# Altium PCB cheriot-test.PcbDoc (part 1 of 12) (continued)
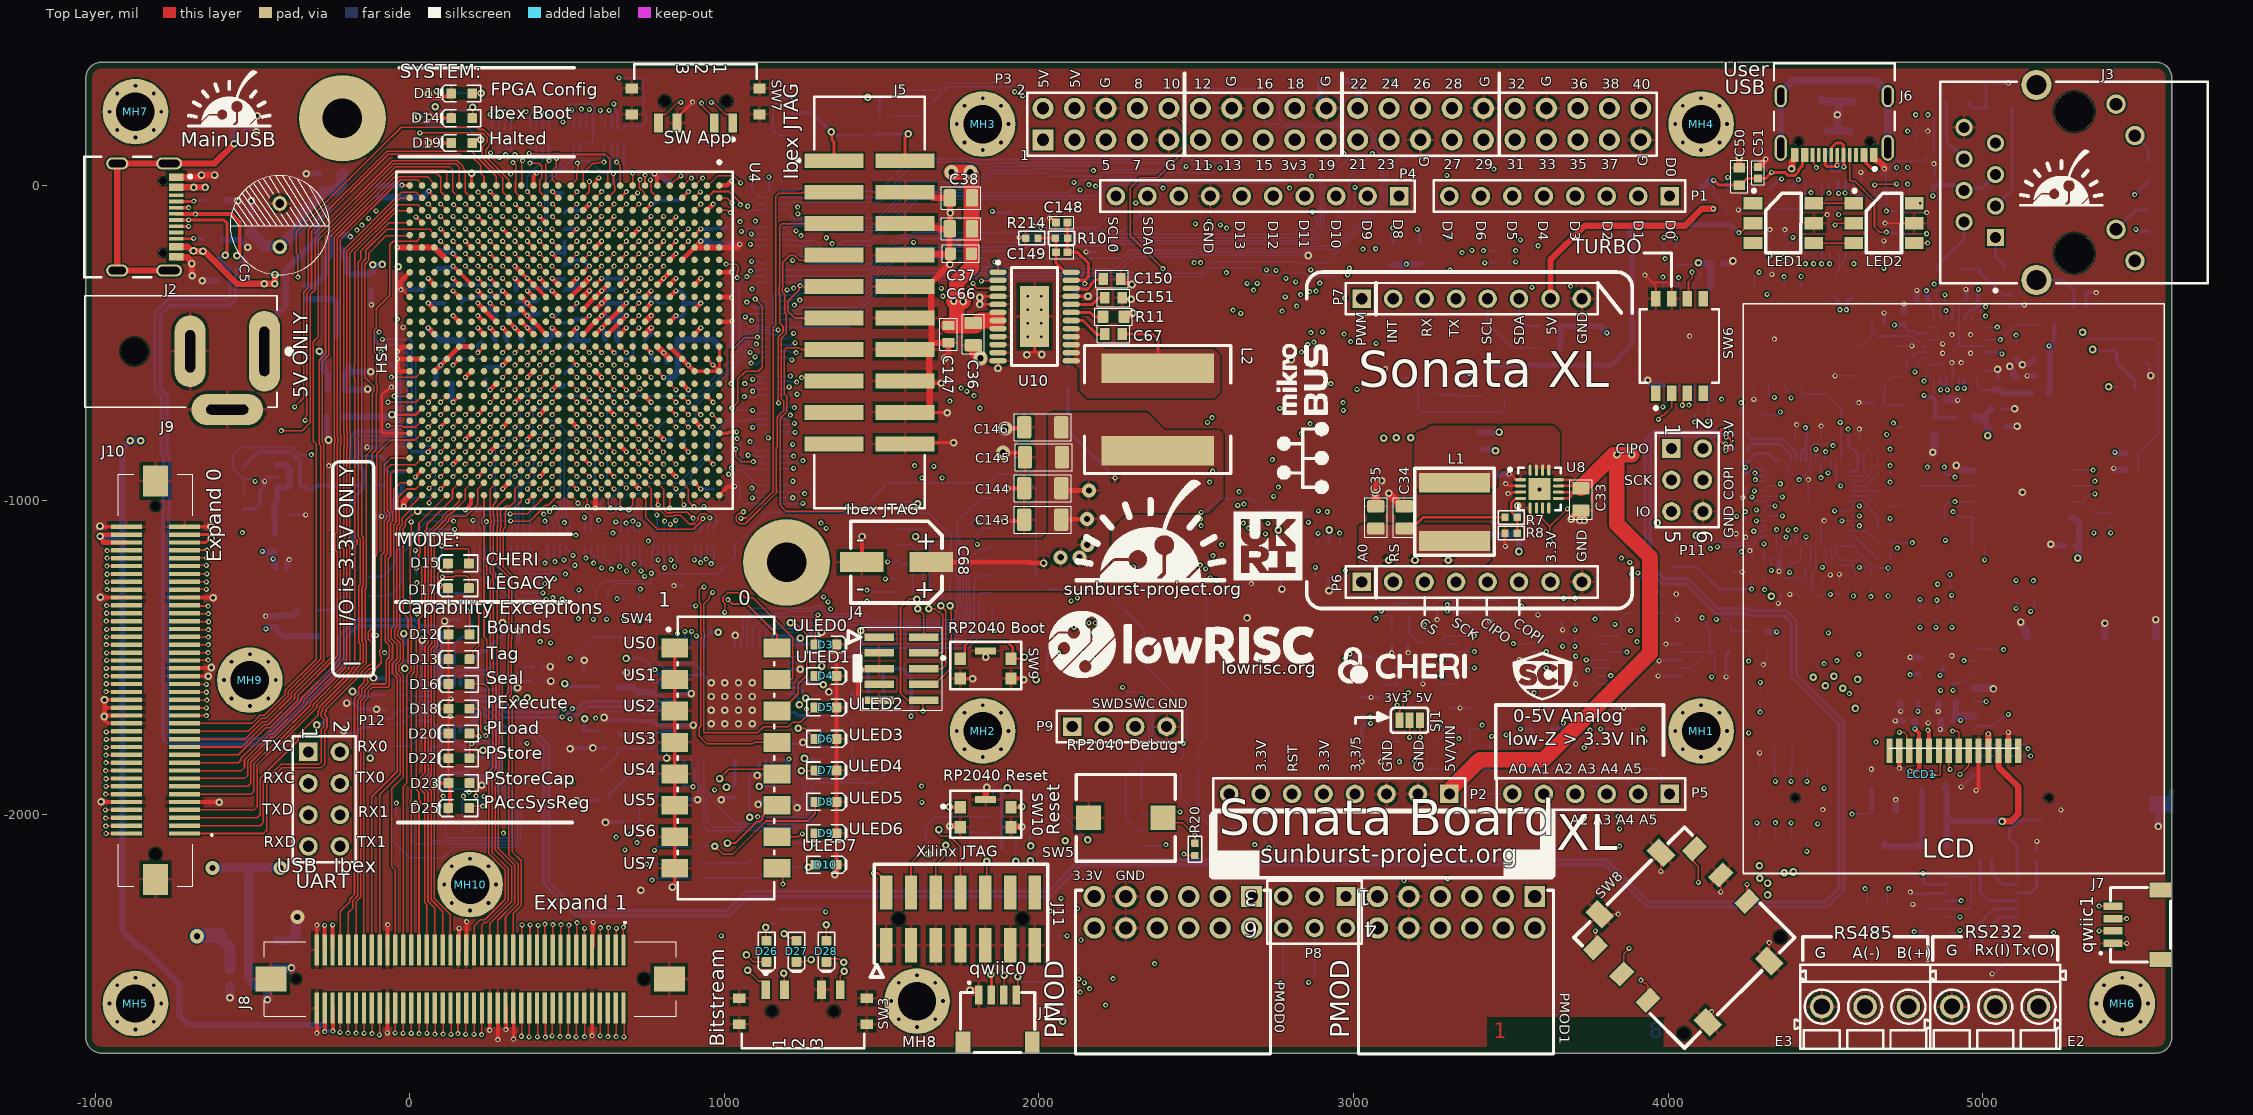
[diagram p0: Top Layer view]
## Components (designator, comment, footprint, x,y, rotation, side; value= is the part's Value field where it differs from the comment)
C1 "2u2" CAPC0603_M -122.87,-308.87 r270 bottom
C2 "2u2" CAPC0603_M -232.87,-648.87 r0 bottom
C3 "2u2" CAPC0603_M -502.87,-122.13 r90 bottom
C4 "100n" CAPC0402_M -327.87,-343.87 r90 bottom
C5 "680uF" Cap_16v_680uF -412.87,-194.92 r90 top
C6 "100n" CAPC0402_M 411.51,-423.35 r270 bottom
C7 "100n" CAPC0402_M 291.37,-493.04 r0 bottom
C8 "100n" CAPC0402_M 570.87,-472.44 r90 bottom
C9 "100n" CAPC0402_M 410.48,-343.64 r270 bottom
C10 "100n" CAPC0402_M 491.99,-536.51 r270 bottom
C11 "2u2" CAPC0603_M 649.94,-403.96 r270 bottom
C12 "2u2" CAPC0603_M 844.14,-374.02 r0 bottom
C13 "2u2" CAPC0603_M 73,-322 r180 bottom
C14 "100n" CAPC0402_M 649.87,-310.57 r270 bottom
C15 "100n" CAPC0402_M 962.66,-158.04 r270 bottom
C16 "100n" CAPC0402_M 337.79,-350.98 r270 bottom
C17 "100n" CAPC0402_M 492.13,-314.96 r90 bottom
C18 "100n" CAPC0402_M 798.82,-564 r0 bottom
C19 "2u2" CAPC0603_M 1014,-160 r270 bottom
C20 "2u2" CAPC0603_M 826.77,-19.69 r90 bottom
C21 "100n" CAPC0402_M 855,-809 r180 bottom
C22 "100n" CAPC0402_M 295.28,-413.39 r0 bottom
C23 "100n" CAPC0402_M 492.13,-234.65 r90 bottom
C24 "100n" CAPC0402_M 2198.91,-210.83 r180 bottom
C25 "100n" CAPC0402_M 491.57,-616.74 r270 bottom
C26 "100n" CAPC0402_M 728.35,-492.13 r0 bottom
C27 "100n" CAPC0402_M 492.13,-159.06 r270 bottom
C28 "2u2" CAPC0603_M 852.13,-462.13 r90 bottom
C29 "2u2" CAPC0603_M 89.6,-236.35 r270 bottom
C30 "2u2" CAPC0603_M 3514.17,-1076.46 r90 bottom
C31 "100n" CAPC0402_M 3384.25,-785.12 r0 bottom
C32 "2u2" CAPC0603_M 3384.25,-840.24 r0 bottom
C33 "22uF" CAPC0805_M 3722.83,-997.72 r270 top
C34 "22uF" CAPC0805_M 3160.98,-1054.92 r90 top
C35 "22uF" CAPC0805_M 3070.98,-1054.92 r90 top
C36 "22uF" CAPC0805_M 1791.34,-472.44 r270 top
C37 "22uF" CAPC0805_M 1751.97,-137.8 r180 top
C38 "22uF" CAPC0805_M 1751.97,-39.37 r180 top
C39 "2u2" CAPC0603_M -570.87,-2517.72 r270 bottom
C40 "100n" CAPC0402_M -468.66,-2544.96 r0 bottom
C41 "2u2" CAPC0603_M -466.22,-2489.96 r0 bottom
C42 "1u" CAPC0603_M -16.08,-1484.34 r90 bottom
C43 "100n" CAPC0402_M 40.41,-1490.82 r90 bottom
C44 "100n" CAPC0402_M 295,-1605 r0 bottom
C45 "1u" CAPC0603_M 234,-1847 r270 bottom
C46 "100n" CAPC0402_M 182.13,-1832.13 r270 bottom
C47 "1u" CAPC0603_M 122.13,-1839.57 r270 bottom
C48 "100n" CAPC0402_M 403.48,-1528.53 r0 bottom
C49 "100n" CAPC0402_M 4978.74,-2422.91 r0 bottom
C50 "2u2" CAPC0603_M 4225.98,28.72 r90 top
C51 "100n" CAPC0402_M 4285.98,40.08 r90 top
C52 "100n" CAPC0603_M 4485.98,300.08 r270 bottom
C53 "100n" CAPC0402_M 4685.98,-219.92 r90 bottom
C54 "100n" CAPC0402_M 4371.07,-179.92 r90 bottom
C55 "100n" CAPC0402_M 4323.12,-179.92 r90 bottom
C56 "100n" CAPC0402_M -408.02,-1214.66 r0 bottom
C57 "1u" CAPC0603_M -408.02,-1048.17 r0 bottom
C58 "2u2" CAPC0603_M -228.02,-925.92 r90 bottom
C59 "470n" CAPC0603_M -183,-1073 r270 bottom
C60 "100n" CAPC0402_M -96.02,-901.66 r0 bottom
C61 "100n" CAPC0402_M 5010.24,-2143.39 r0 bottom
C62 "100n" CAPC0402_M 5069.29,-2454.41 r270 bottom
C63 "100n" CAPC0402_M 5171.65,-2131.57 r270 bottom
C64 "100n" CAPC0402_M 4813.39,-2233.94 r90 bottom
C65 "100n" CAPC0402_M 4495.98,-1959.92 r270 bottom
C66 "2n4" RESC1608X55N#1 1751.97,-216.54 r180 top
C67 "100n" CAPC0603_M 2237.13,-472.13 r0 top
C68 "1200U" PAN_C10_POS1_NEG2 1547.13,-1197.13 r0 top
C69 "2u2" CAPC0603_M 553.5,-1565.87 r90 bottom
C70 "2u2" CAPC0603_M 723.5,-1575.87 r90 bottom
C71 "100n" CAPC0402_M 772.48,-1592.8 r90 bottom
C72 "2u2" CAPC0603_M 550,-1760 r270 bottom
C73 "2u2" CAPC0603_M 720,-1727.44 r90 bottom
C74 "100n" CAPC0402_M 775,-1721.89 r90 bottom
C75 "100n" CAPC0402_M 1157.13,-1929.02 r270 bottom
C76 "2u2" CAPC0603_M 1207.13,-1922.13 r270 bottom
C77 "18p" CAPC0402_M 702.13,-2022.13 r180 bottom
C78 "18p" CAPC0402_M 640,-1790 r180 bottom
C79 "100n" CAPC0402_M 1483.5,-1535.87 r180 bottom
C80 "100n" CAPC0402_M 5275.98,-1144.92 r180 bottom
C81 "1u" CAPC0603_M 4205.98,-1199.92 r270 bottom
C82 "1u" CAPC0603_M 4185.98,-1079.92 r270 bottom
C83 "100n" CAPC0402_M 4347.87,-253.08 r180 bottom
C84 "100n" CAPC0402_M 4505.98,-799.92 r180 bottom
C85 "100n" CAPC0402_M 4370.98,-1199.92 r180 bottom
C86 "100n" CAPC0402_M 4245.98,-939.92 r270 bottom
C87 "100n" CAPC0402_M 4285.98,-1199.92 r180 bottom
C88 "100n" CAPC0402_M 4589.93,-799.92 r0 bottom
C89 "100n" CAPC0402_M 4245.98,-1079.92 r270 bottom
C90 "100n" CAPC0402_M 4421.94,-799.92 r180 bottom
C91 "100n" CAPC0402_M 4155.98,-249.92 r0 bottom
C92 "18p" CAPC0402_M 4544.04,-1279.92 r90 bottom
C93 "18p" CAPC0402_M 4358.15,-1279.92 r270 bottom
C94 "100n" CAPC0402_M -62.08,-1669.08 r180 bottom
C95 "18p" CAPC0402_M 346.21,-1467.34 r90 bottom
C96 "18p" CAPC0402_M 170,-1380 r180 bottom
C97 "100n" CAPC0402_M 3220.17,-1540.24 r270 bottom
C98 "24p" CAPC0402_M 3025.98,-1699.31 r270 bottom
C99 "100n" CAPC0402_M 3705.98,-1539.92 r270 bottom
C100 "2u2" CAPC0603_M 4285.98,-1480.02 r0 bottom
C101 "2u2" CAPC0603_M 4166.32,-1480.02 r0 bottom
C102 "100n" CAPC0402_M 4165.98,-1536.51 r0 bottom
C103 "24p" CAPC0402_M 3025.98,-1515.26 r270 bottom
C104 "24p" CAPC0402_M 3125.98,-1352.1 r270 bottom
C105 "24p" CAPC0402_M 3685.98,-1337.47 r180 bottom
C106 "24p" CAPC0402_M 3323.54,-1339.92 r90 bottom
C107 "24p" CAPC0402_M 3905.98,-1256.09 r0 bottom
C108 "18p" CAPC0402_M 4667.87,-691.05 r180 bottom
C109 "18p" CAPC0402_M 4665.98,-437.92 r0 bottom
C110 "2u2" CAPC0603_M 196.85,-492.13 r180 bottom
C111 "2u2" CAPC0603_M 997,-508 r0 bottom
C112 "100n" CAPC0402_M 4765.98,-1699.92 r180 bottom
C113 "2u2" CAPC0603_M 4765.98,-1639.92 r180 bottom
C114 "100n" CAPC0402_M 4885.98,-1699.92 r180 bottom
C115 "2u2" CAPC0603_M 4885.98,-1639.92 r180 bottom
C116 "100n" CAPC0402_M -541.06,172.68 r0 bottom
C117 "100n" CAPC0402_M 872.13,-1932.13 r270 bottom
C118 "100n" CAPC0402_M 5309.45,-387.48 r0 bottom
C119 "100n" CAPC0402_M 5023.62,325.12 r180 bottom
C120 "100n" CAPC0402_M 4845.98,20.08 r90 bottom
C121 "2u2" CAPC0603_M 4800.98,-1526.94 r90 bottom
C122 "100n" CAPC0402_M 4875.98,-1512.77 r90 bottom
C123 "2u2" CAPC0603_M 5185.98,-554.92 r180 bottom
C124 "2u2" CAPC0603_M 5105.98,-634.92 r90 bottom
C125 "2u2" CAPC0603_M 5045.98,-766.38 r0 bottom
C126 "2u2" CAPC0603_M 4845.98,-764.92 r270 bottom
C127 "100n" CAPC0402_M 5184.09,-604.92 r180 bottom
C128 "100n" CAPC0402_M 5050.98,-629.92 r90 bottom
C129 "100n" CAPC0402_M 5045.98,-709.89 r0 bottom
C130 "100n" CAPC0402_M 4865.98,-679.92 r0 bottom
C131 "100n" CAPC0402_M 4965.98,-359.92 r180 bottom
C132 "100n" CAPC0402_M 4749.31,-420 r90 bottom
C133 "100n" CAPC0402_M 4807.42,-361.53 r180 bottom
C134 "100n" CAPC0402_M 723,-1481 r90 bottom
C135 "100n" CAPC0402_M 1268.54,-1555 r90 bottom
C136 "100n" CAPC0402_M 1264.61,-1708.54 r270 bottom
C137 "100n" CAPC0402_M 1271.1,-1439.76 r90 bottom
C138 "100n" CAPC0402_M 1032.13,-1927.13 r270 bottom
C139 "100n" CAPC0402_M 486.5,-454.36 r270 bottom
C140 "100n" CAPC0402_M 502.43,-396.18 r0 bottom
C141 "100n" CAPC0402_M -423,-1388 r90 bottom
C142 "100n" CAPC0402_M 5088.98,-367.8 r90 bottom
C143 "100U" CAPC1206_M 2012.13,-1062.13 r180 top
C144 "100U" CAPC1206_M 2012.13,-962.13 r180 top
C145 "100U" CAPC1206_M 2014.61,-863.98 r180 top
C146 "100U" CAPC1206_M 2012.13,-768.78 r180 top
C147 "2u2" CAPC0603_M 1712.6,-472.44 r270 top
C148 "DNM" CAPC0402_M 2072.13,-117.13 r180 top
C149 "DNM" CAPC0402_M 2072.13,-212.13 r180 top
C150 "10n" CAPC0603_M 2232.13,-297.13 r0 top
C151 "3u3" CAPC0603_M 2237.13,-357.13 r0 top
C152 "100n" CAPC0402_M -60.12,-831.74 r180 bottom
C153 "100n" CAPC0402_M 242.51,-595.44 r90 bottom
C154 "100n" CAPC0402_M 984.25,-964.57 r0 bottom
C155 "100n" CAPC0402_M -98.43,-19.69 r90 bottom
C156 "2u2" CAPC0603_M 492.13,-59.06 r270 bottom
C157 "2u2" CAPC0603_M -236.56,-735 r180 bottom
C158 "2u2" CAPC0603_M 106.3,-629.92 r180 bottom
C159 "100n" CAPC0402_M 641.98,-491.92 r0 bottom
C160 "2u2" CAPC0603_M 387.31,-493.83 r0 bottom
C161 "2u2" CAPC0603_M 137.8,-374.02 r180 bottom
D3 "LED, 0603, Blue" LED-0603-BLUE 1322.87,-1458.94 r0 top
D4 "LED, 0603, Green" LED-0603-GREEN 1322.87,-1558.94 r0 top
D5 "LED, 0603, Red" LED-0603-RED 1322.87,-1658.94 r0 top
D6 "LED, 0603, Blue" LED-0603-BLUE 1322.87,-1758.94 r0 top
D7 "LED, 0603, Green" LED-0603-GREEN 1322.87,-1858.94 r0 top
D8 "LED, 0603, Red" LED-0603-RED 1322.87,-1958.94 r0 top
D9 "LED, 0603, Green" LED-0603-GREEN 1322.87,-2058.94 r0 top
D10 "LED, 0603, Red" LED-0603-RED 1322.87,-2158.94 r0 top
D11 "LED, 0603, Green" LED-0603-GREEN 165.56,292.68 r180 top
D12 "LED, 0603, Red" LED-0603-RED 156.81,-1426.89 r180 top
D13 "LED, 0603, Red" LED-0603-RED 156.81,-1505.63 r180 top
D14 "LED, 0603, Green" LED-0603-GREEN 165.56,213.94 r180 top
D15 "LED, 0603, Green" LED-0603-GREEN 154.93,-1201.1 r180 top
D16 "LED, 0603, Red" LED-0603-RED 156.81,-1584.37 r180 top
D17 "LED, 0603, Red" LED-0603-RED 154.93,-1279.84 r180 top
D18 "LED, 0603, Red" LED-0603-RED 156.81,-1663.11 r180 top
D19 "LED, 0603, Red" LED-0603-RED 165.56,135.2 r180 top
D20 "LED, 0603, Red" LED-0603-RED 156.81,-1741.85 r180 top
D22 "LED, 0603, Red" LED-0603-RED 156.81,-1820.59 r180 top
D23 "LED, 0603, Red" LED-0603-RED 156.81,-1899.33 r180 top
D25 "LED, 0603, Red" LED-0603-RED 156,-1979 r180 top
D26 "LED, 0603, Green" LED-0603-GREEN 1134.53,-2434.06 r270 top
D27 "LED, 0603, Green" LED-0603-GREEN 1229.53,-2434.06 r270 top
D28 "LED, 0603, Green" LED-0603-GREEN 1324.53,-2434.06 r270 top
E2 "1912330000" PS_3_5_90_03 5039.37,-2609.92 r0 top
E3 "1912330000" PS_3_5_90_03 4625.98,-2609.92 r0 top
HS1 "960-29-18-D-AB-0" 960-29-18-D-AB-0 492.13,-492.13 r90 top locked
J1 "SM04B-SRSS-TB_LF__SN_" SM04B-SRSS-TB(LFSN) 1750.39,-2756.02 r0 top
J2 "USB4105-GF-A" FP-USB4105-GF-A-MFG -883.46,-100.08 r270 top
J3 "J00-0045NL" FP-J00-0045NL-MFG 5290.35,9.57 r270 top
J4 "10 Pin Cortex Program & Debug" 0.5mm_SMD_Header_5x2 1492.13,-1435.43 r0 top
J5 "61232020621" 61232020621 1461.61,-371.26 r270 top
J6 "USB4105-GF-A" FP-USB4105-GF-A-MFG 4527.95,238.11 r180 top
J7 "SM04B-SRSS-TB_LF__SN_" SM04B-SRSS-TB(LFSN) 5596.93,-2467.8 r90 top
J8 "0528850874" 0528850874 192.13,-2522.13 r180 top locked
J9 "2.5x5.5x9.5mm Jack" CUI_PJ-058BH -461.65,-527.13 r180 top
J10 "0528850874" 0528850874 -807.87,-1572.13 r90 top locked
J11 "87832-1420/XILINXJTAG" 87832-1420 1750.87,-2330.98 r0 top
L1 "4.7uH" NR6028 3320.98,-1037.58 r270 top
L2 "2.2uH, 14A" XAL1060-222 2377.13,-712.13 r270 top
L3 "600-Ohm/0.5A" IND_0603 -428.02,-1134.66 r90 bottom value=600R/0.5A
L5 "1k @ 1Mhz" IND_0603 633.5,-1595.87 r0 bottom
L6 "1k @ 1Mhz" IND_0603 635,-1740 r0 bottom
L7 "1k @ 1Mhz" IND_0603 4285.98,-1415.97 r180 bottom
L8 "1k @ 1Mhz" IND_0603 5180.98,-659.92 r180 bottom
L9 "1k @ 1Mhz" IND_0603 4947.24,-734.92 r180 bottom
LCD1 "1.8\" LCD, Solder on Connector" ADAFRUIT618 4238.59,-2186.69 r90 bottom locked
LED1 "WS2813B, 5x5" WS2813B_5x5 4365.98,-119.92 r0 top
LED2 "WS2813B, 5x5" WS2813B_5x5 4685.98,-119.92 r0 top
MH1 "M3, Tight Fit" MOUNT_M3_TIGHT#1 4104.72,-1733.94 r0 top locked
MH2 "M3, Tight Fit" MOUNT_M3_TIGHT#1 1821.26,-1733.94 r0 top locked
MH3 "M3, Tight Fit" MOUNT_M3_TIGHT#1 1821.26,195.2 r0 top locked
MH4 "M3, Tight Fit" MOUNT_M3_TIGHT#1 4104.72,195.2 r0 top locked
MH5 "M3, Tight Fit" MOUNT_M3_TIGHT#1 -871.65,-2600.08 r0 top
MH6 "M3, Tight Fit" MOUNT_M3_TIGHT#1 5443.31,-2600.08 r0 top
MH7 "M3, Tight Fit" MOUNT_M3_TIGHT#1 -871.65,234.57 r0 top
MH8 "M3, Tight Fit" MOUNT_M3_TIGHT#2 1612.6,-2592.2 r0 top
MH9 "M3, Tight Fit" MOUNT_M3_TIGHT#2 -507.87,-1572.13 r0 top locked
MH10 "M3, Tight Fit" MOUNT_M3_TIGHT#2 192.13,-2222.13 r0 top locked
P1 "Header 8" HDR1X8_SLW-108-01-T-S 4004.72,-33.94 r180 top locked
P2 "Header 8" HDR1X8_SLW-108-01-T-S 3304.72,-1933.94 r180 top locked
P3 "Header 20X2" HDR2X20_861400402YO2LF 2012.99,145.2 r0 top locked
P4 "Header 10" HDR1X10_SLW-110-01-T-S 3144.72,-33.94 r180 top locked
P5 "Header 6" HDR1X6_SLW-106-01-T-S 4004.72,-1933.94 r180 top locked
P6 "Header 8" HDR1X8_SLW-108-01-T-S 3025.98,-1259.92 r0 top locked
P7 "Header 8" HDR1X8_SLW-108-01-T-S 3025.98,-359.92 r0 top locked
P8 "Header 3X2A" HDR2X3_CEN 2975.98,-2259.92 r180 top locked
P9 "Header 4" HDR1X4 2105.98,-1719.92 r0 top
P11 "Header 3X2" HDR2X3_XG8T-0641 4010.24,-835.91 r270 top locked
P12 "Header 4X2" HDR2X4_XG8T-0841 -321.85,-1800.35 r270 top
PMOD0 "PMOD, 12-pin, RA, Through-Hole" SAMTEC_SSW_106_02_X_D_RA_PMOD 2675.98,-2259.92 r270 top locked
PMOD1 "PMOD, 12-pin, RA, Through-Hole" SAMTEC_SSW_106_02_X_D_RA_PMOD 3575.98,-2259.92 r270 top locked
Q1 "DMP2123LQ-7" SOT95P245X110-3M -232.87,-323.87 r270 bottom
Q2 "DMN3200U-7" SOT95P245X110-3M 4685.98,-2039.92 r270 bottom
Q3 "BSS138" SOT95P245X110-3M 5459.06,-525.28 r180 bottom
Q4 "DMP2123LQ-7" SOT95P245X110-3M -249,-13 r270 bottom
Q5 "DMP2123LQ-7" SOT95P245X110-3M -232.87,-528.87 r90 bottom
Q6 "DMP2123LQ-7" SOT95P245X110-3M 3444.4,-621.82 r90 bottom
Q7 "BSS138" SOT95P245X110-3M 3101.82,-615 r0 bottom
R1 "5k1" RESC1608X55N#2 -617.87,-47.13 r0 bottom
R2 "100k" RESC1005X40N#1 -232.87,-203.87 r180 bottom
R3 "10k" RESC1005X40N#1 -233,-156 r0 bottom
R4 "5k1" RESC1608X55N#2 -622.87,-172.13 r0 bottom
R5 "1k" RESC1608X55N#2 4088.98,-1178.82 r90 bottom
R6 "1k" RESC1608X55N#2 1217.13,197.87 r270 bottom
R7 "10k" RESC1005X40N#2 3500.98,-1054.92 r0 top
R8 "2k2" RESC1005X40N#2 3500.98,-1104.92 r180 top
R9 "51R" RESC1608X55N#2 2092.13,-612.13 r90 bottom
R10 "14k7" RESC1005X40N#2 2071.81,-167.13 r180 top
R11 "1k5" RESC1608X55N#1 2237.13,-417.13 r0 top
R12 "100k" RESC1005X40N#1 -62.08,-1618.95 r180 bottom
R13 "100k" RESC1005X40N#1 -134.08,-1643.47 r270 bottom
R14 "10k" RESC1005X40N#1 -62.08,-1566.63 r180 bottom
R15 "100k" RESC1608X55N#2 4265.28,-728.43 r180 bottom
R16 "12k" RESC1005X40N#1 405,-1575 r0 bottom
R17 "100k" RESC1608X55N#2 -87.87,-1722.13 r0 bottom
R18 "100k" RESC1608X55N#2 -87.87,-1782.13 r0 bottom
R19 "0R" RESC1608X55N#2 3332,-630 r90 bottom
R20 "10k" RESC1005X40N#2 2495.98,-2109.92 r90 top
R21 "1k" RESC1608X55N#2 4813.39,-2336.3 r270 bottom
R22 "DNM RCHIP" RESC1608X55N#2 4725.98,-114.92 r270 bottom
R23 "47k" RESC1005X40N#1 4805.98,200.08 r180 bottom
R24 "DNM RCHIP" RESC1608X55N#2 4789.05,-119.92 r90 bottom
R25 "22k" RESC1005X40N#1 4805.98,147.76 r0 bottom
R26 "DNM RCHIP" RESC1608X55N#2 4185.98,-39.92 r90 bottom
R27 "33R" RESC1608X55N#2 4525.98,-319.92 r90 bottom
R28 "DNM RCHIP" RESC1608X55N#2 4265.98,-39.92 r270 bottom
R29 "33R" RESC1608X55N#2 4585.98,-319.92 r90 bottom
R30 "10k" RESC1005X40N#1 4745.98,32.4 r0 bottom
R31 "1k5" RESC1608X55N#2 4325.98,-39.92 r270 bottom
R32 "10k" RESC1005X40N#1 4745.98,-19.92 r0 bottom
R33 "10R" RESC1608X55N#2 4585.98,300.08 r270 bottom
R34 "DNM RCHIP" RESC1608X55N#2 4385.98,-39.92 r270 bottom
R35 "DNM RCHIP" RESC1608X55N#2 4505.98,140.08 r270 bottom
R36 "DNM RCHIP" RESC1608X55N#2 4578.8,138.27 r270 bottom
R37 "2k7" RESC1005X40N#1 -527.23,-913.8 r270 bottom
R38 "1k" RESC1005X40N#1 -527.23,-1008.28 r270 bottom
R39 "1k" RESC1608X55N#2 5214.96,-2017.4 r0 bottom
R40 "120R" RESC1608X55N#2 4365.98,-1769.92 r180 bottom
R41 "DNM RCHIP" RESC1608X55N#2 4105.98,-39.92 r270 bottom
R42 "1k" RESC1005X40N#1 771,-1456 r90 bottom
R43 "12k" RESC1608X55N#2 873,-1301 r90 bottom
R44 "2k2" RESC1005X40N#1 1308.66,-1705.02 r270 bottom
R45 "10k" RESC1005X40N#1 5353.21,-1059.92 r90 bottom
R46 "10k" RESC1005X40N#1 4823.76,-939.59 r270 bottom
R47 "22R" RESC1005X40N#1 2052,-2366 r270 bottom
R48 "22R" RESC1005X40N#1 4881.05,-1083.3 r90 bottom
R49 "22R" RESC1005X40N#1 4880.98,-939.92 r270 bottom
R50 "22R" RESC1005X40N#1 4985.98,-1149.82 r0 bottom
R51 "22R" RESC1005X40N#1 5405.98,-1059.92 r90 bottom
R52 "22R" RESC1005X40N#1 4291,-1631 r270 bottom
R53 "1k" RESC1005X40N#1 2006.79,-1484.9 r180 bottom
R54 "10k" RESC1005X40N#1 2007.38,-1536.83 r0 bottom
R55 "22R" RESC1005X40N#1 4685.98,-810.65 r180 bottom
R56 "27R" RESC1005X40N#1 4230.98,-787.6 r0 bottom
R57 "22R" RESC1005X40N#1 4685.98,-862.97 r180 bottom
R58 "27R" RESC1005X40N#1 4231.3,-839.92 r0 bottom
R59 "22R" RESC1005X40N#1 4685.98,-915.29 r180 bottom
R60 "22R" RESC1005X40N#1 4685.67,-967.6 r180 bottom
R61 "22R" RESC1005X40N#1 4685.67,-1019.92 r180 bottom
R62 "10k" RESC1005X40N#1 4005.98,-252.7 r0 bottom
R63 "22R" RESC1005X40N#1 4685.98,-1082.97 r180 bottom
R64 "10k" RESC1005X40N#1 4005.98,-199.92 r0 bottom
R65 "22R" RESC1005X40N#1 4685.98,-1135.29 r180 bottom
R66 "22R" RESC1005X40N#1 4685.98,-1187.6 r180 bottom
R67 "10k" RESC1005X40N#1 4105.98,-724.86 r180 bottom
R68 "22R" RESC1005X40N#1 4698.81,-1260.24 r90 bottom
R69 "22R" RESC1005X40N#1 4646.49,-1259.61 r90 bottom
R70 "22R" RESC1005X40N#1 4594.18,-1260.24 r90 bottom
R71 "10k" RESC1005X40N#1 4285.98,-1250.05 r180 bottom
R72 "100k" RESC1608X55N#2 -230,-1695 r180 bottom
R73 "DNM" RESC1005X40N#1 327.13,-1772.13 r0 bottom
R74 "DNM" RESC1005X40N#1 62.13,-1832.44 r270 bottom
R75 "100k" RESC1608X55N#2 3243.23,-1819.92 r90 bottom
R76 "150k" RESC1608X55N#2 3306.3,-1693.86 r270 bottom
R77 "1k" RESC1608X55N#2 3306.3,-1819.92 r90 bottom
R78 "2k" RESC1005X40N#1 3145.98,-1787.13 r90 bottom
R79 "180R" RESC1005X40N#1 3105.98,-1707.13 r180 bottom
R80 "1k" RESC1005X40N#1 3085.98,-1787.13 r270 bottom
R81 "845R" RESC1005X40N#1 3025.98,-1787.13 r90 bottom
R82 "10R" RESC1608X55N#2 4165.98,-1415.97 r180 bottom
R83 "1k" RESC1608X55N#2 3432.43,-1819.92 r90 bottom
R84 "100k" RESC1608X55N#2 3369.36,-1819.92 r90 bottom
R85 "2k" RESC1005X40N#1 3138.3,-1607.13 r90 bottom
R86 "180R" RESC1005X40N#1 3105.98,-1527.13 r180 bottom
R87 "150k" RESC1608X55N#2 3369.36,-1693.86 r270 bottom
R88 "1k" RESC1005X40N#1 3085.98,-1607.13 r270 bottom
R89 "1k" RESC1608X55N#2 3506.3,-1819.92 r90 bottom
R90 "845R" RESC1005X40N#1 3025.98,-1606.81 r90 bottom
R91 "100k" RESC1608X55N#2 3569.36,-1819.92 r90 bottom
R92 "2k" RESC1005X40N#1 3225.98,-1439.92 r270 bottom
R93 "180R" RESC1005X40N#1 3176.12,-1348.23 r90 bottom
R94 "150k" RESC1608X55N#2 3566.3,-1693.86 r270 bottom
R95 "1k" RESC1005X40N#1 3173.67,-1439.92 r270 bottom
R96 "845R" RESC1005X40N#1 3121.35,-1439.92 r90 bottom
R97 "1k" RESC1608X55N#2 3695.49,-1819.92 r90 bottom
R98 "100k" RESC1608X55N#2 3632.43,-1819.92 r90 bottom
R99 "2k" RESC1005X40N#1 3684.11,-1439.92 r0 bottom
R100 "180R" RESC1005X40N#1 3785.98,-1338.86 r180 bottom
R101 "150k" RESC1608X55N#2 3629.36,-1693.39 r270 bottom
R102 "1k" RESC1005X40N#1 3684.11,-1387.6 r180 bottom
R103 "845R" RESC1005X40N#1 3605.98,-1339.92 r0 bottom
R104 "1k" RESC1608X55N#2 3765.98,-1819.92 r90 bottom
R105 "100k" RESC1608X55N#2 3829.05,-1819.92 r90 bottom
R106 "2k" RESC1005X40N#1 3514.3,-1358.06 r180 bottom
R107 "180R" RESC1005X40N#1 3375.98,-1338.38 r270 bottom
R108 "150k" RESC1608X55N#2 3825.98,-1693.86 r270 bottom
R109 "1k" RESC1005X40N#1 3428.3,-1338.38 r270 bottom
R110 "845R" RESC1005X40N#1 3265.98,-1338.38 r90 bottom
R111 "1k" RESC1608X55N#2 3955.18,-1819.92 r90 bottom
R112 "100k" RESC1608X55N#2 3892.11,-1819.92 r90 bottom
R113 "2k" RESC1005X40N#1 3906.3,-1358.54 r0 bottom
R114 "180R" RESC1005X40N#1 3905.98,-1306.22 r180 bottom
R115 "150k" RESC1608X55N#2 3889.05,-1693.86 r270 bottom
R116 "1k" RESC1005X40N#1 4005.98,-1358.54 r0 bottom
R117 "845R" RESC1005X40N#1 4005.98,-1306.22 r180 bottom
R118 "100k" RESC1005X40N#1 1864,-1956 r180 bottom
R119 "100k" RESC1005X40N#1 1862.13,-2106.81 r180 bottom
R120 "100k" RESC1005X40N#1 1862.13,-2055.63 r180 bottom
R121 "100k" RESC1005X40N#1 1862,-2007 r180 bottom
R122 "0R" RESC1608X55N#2 -167,-1304 r0 bottom
R123 "0R" RESC1608X55N#2 -166,-1243 r0 bottom
R124 "0R" RESC1608X55N#2 4760.98,-734.92 r90 bottom
R125 "2k2" RESC1608X55N#2 1944,-87 r0 bottom
R126 "2k2" RESC1608X55N#2 2081,-2566 r90 bottom
R127 "2k2" RESC1608X55N#2 4632.92,-2314.92 r90 bottom
R128 "2k2" RESC1608X55N#2 4695.98,-2314.92 r90 bottom
R129 "2k7" RESC1005X40N#1 -541.06,223.86 r0 bottom
R130 "75R" RESC2012X70N 4845.98,-1919.92 r180 bottom
R131 "75R" RESC2012X70N 4845.98,-2099.92 r180 bottom
R132 "75R" RESC2012X70N 4845.98,-2019.92 r180 bottom
R133 "10k" RESC1005X40N#1 4645.98,-1899.92 r90 bottom
R134 "1k" RESC1608X55N#2 4018.11,-1178.82 r90 bottom
R135 "100k" RESC1005X40N#1 5309.45,-336.3 r0 bottom
R136 "1k" RESC1608X55N#2 5525.98,-111.89 r90 bottom
R137 "1k" RESC1608X55N#2 5525.98,45.59 r90 bottom
R138 "1k" RESC1005X40N#1 680,-1335 r270 bottom
R139 "1k" RESC1005X40N#1 42.13,-1287.13 r0 bottom
R140 "1k" RESC1005X40N#1 730,-1335 r270 bottom
R141 "1k" RESC1005X40N#1 42.13,-1337.13 r0 bottom
R142 "1k" RESC1005X40N#1 630,-1335.32 r270 bottom
R143 "1k" RESC1005X40N#1 -45.1,-2016.79 r270 bottom
R144 "1k" RESC1005X40N#1 585,-1335.32 r270 bottom
R145 "1k" RESC1005X40N#1 7.22,-2017.11 r270 bottom
R146 "1k" RESC1005X40N#1 59.54,-2016.79 r270 bottom
R147 "1k" RESC1005X40N#1 535,-1335.32 r270 bottom
R148 "1k" RESC1005X40N#1 114.9,-2017.11 r270 bottom
R149 "1k" RESC1005X40N#1 912.13,-2102.13 r0 bottom
R150 "1k" RESC1005X40N#1 276.81,-1978.87 r180 bottom
R151 "1k" RESC1005X40N#1 912.13,-2152.13 r0 bottom
R153 "1k" RESC1005X40N#1 912.13,-2202.13 r0 bottom
R154 "1k" RESC1005X40N#1 167,-2016 r270 bottom
R155 "1k" RESC1005X40N#1 42.13,-1187.13 r0 bottom
R156 "1k" RESC1005X40N#1 132.09,292.68 r0 bottom
R157 "1k" RESC1005X40N#1 42.13,-1237.13 r0 bottom
R158 "1k" RESC1005X40N#1 132.13,237.87 r0 bottom
R159 "1k" RESC1005X40N#1 132.13,182.87 r0 bottom
R160 "10k" RESC1005X40N#1 5160.98,-1300.24 r90 bottom
R161 "10k" RESC1005X40N#1 4885.98,-1579.92 r180 bottom
R162 "10k" RESC1005X40N#1 4875.98,-1277.11 r180 bottom
R163 "10k" RESC1005X40N#1 4800.98,-1359.92 r270 bottom
R164 "10k" RESC1005X40N#1 4850.98,-1359.92 r270 bottom
R165 "10k" RESC1005X40N#1 4900.98,-1359.92 r270 bottom
R166 "10k" RESC1005X40N#1 5105.98,-1299.92 r90 bottom
R167 "3.01k" RESC1005X40N#1 5105.98,-519.92 r90 bottom
R168 "22R" RESC1005X40N#1 3471.19,-193.6 r0 bottom
R169 "22R" RESC1005X40N#1 3471.19,-245.92 r0 bottom
R170 "33R" 741C083 322.13,132.6 r180 bottom
R171 "22R" RESC1005X40N#1 2816,-1030 r0 bottom
R172 "33R" 741C083 1131.85,-546.81 r90 bottom
R173 "33R" 741C083 1131.85,-666.5 r90 bottom
R174 "33R" 741C083 1131.85,-901.5 r90 bottom
R175 "33R" 741C083 438.07,-1101.85 r0 bottom
R176 "33R" 741C083 1131.85,-1012.13 r90 bottom
R177 "33R" 741C083 1132.13,-77.13 r90 bottom
R178 "33R" 741C083 441.81,132.87 r180 bottom
R179 "33R" 741C083 1132.13,-307.13 r90 bottom
R180 "33R" 741C083 681.18,132.87 r180 bottom
R181 "33R" 741C083 203.07,-1101.85 r0 bottom
R182 "33R" 741C083 1132.13,-427.13 r90 bottom
R183 "33R" 741C083 1132.13,-192.13 r90 bottom
R184 "33R" 741C083 561.5,132.6 r180 bottom
R185 "33R" 741C083 322.13,-1101.85 r0 bottom
R186 "22R" RESC1005X40N#1 2451.18,-1844.17 r270 bottom
R187 "22R" RESC1005X40N#1 2506.3,-1844.17 r270 bottom
R188 "33R" 741C083 558.07,-1101.85 r0 bottom
R189 "33R" 741C083 672.76,-1101.85 r0 bottom
R190 "33R" 741C083 1131.85,-781.5 r90 bottom
R191 "33R" 741C083 788.07,-1101.85 r0 bottom
R192 "1k" RESC1005X40N#1 5462.99,-643.39 r0 bottom
R193 "DNM" RESC1005X40N#1 5474.8,-852.05 r0 bottom
R194 "33R" 741C083 907.13,-1101.85 r0 bottom
R195 "0R" RESC1005X40N#1 -18.54,-930.2 r90 bottom
R196 "49R9" RESC2012X70N 5029.92,-265.43 r0 bottom
R197 "49R9" RESC2012X70N 4896.06,-265.43 r180 bottom
R198 "49R9" RESC2012X70N 5053.54,246.38 r0 bottom
R199 "10k" RESC1005X40N#1 1303.5,-1805.87 r90 bottom
R200 "1k" RESC1005X40N#1 1175.05,-2319.33 r90 bottom
R201 "1k" RESC1005X40N#1 1227.36,-2319.33 r90 bottom
R202 "1k" RESC1005X40N#1 1279.68,-2319.9 r90 bottom
R203 "DNM" RESC1005X40N#1 354.33,-1653.54 r180 bottom
R204 "49R9" RESC2012X70N 4919.69,262.13 r180 bottom
R205 "10k" RESC1005X40N#1 5474.8,-903.23 r180 bottom
R206 "1k8" RESC1608X55N#2 3124.41,-218.19 r270 bottom
R207 "1k8" RESC1608X55N#2 3211.02,-216.22 r270 bottom
R208 "DNM RCHIP" RESC1608X55N#2 3624.41,-517.4 r180 bottom
R209 "DNM RCHIP" RESC1608X55N#2 3624.41,-446.54 r180 bottom
R210 "1k" RESC1005X40N#1 3251,-631 r270 bottom
R211 "10k" RESC1005X40N#1 5207.09,-442.6 r180 bottom
R212 "12k" RESC1608X55N#2 3053.54,332.99 r0 bottom
R213 "DNM RCHIP" RESC1608X55N#2 2927.56,332.99 r0 bottom
R214 "22k" RESC1005X40N#2 1977.44,-167.13 r180 top
R215 "2k2" RESC1005X40N#1 1513.13,281.13 r0 bottom
R216 "2k2" RESC1005X40N#1 1513.13,221.13 r0 bottom
SD1 "DM3AT-SF-PEJM5" FP-DM3AT-SF-PEJM5-MFG 5288.19,-1704.03 r270 bottom locked
SJ1 "NC" SJ_3S_NC12 3178.42,-1699.92 r0 top
SJ2 "NO" SJ_2S_NO 1462.78,159 r0 bottom
SW1 "218-4LPSTR" FP-218-4LPSTR-MFG 2175.98,-2024.92 r180 bottom
SW2 "218-8LPST" FP-218-8LPST-MFG 1702.13,-1167.13 r180 bottom
SW3 "CUS-13TB" FP-CUS-13TB-MFG 1250.16,-2654.06 r0 top
SW4 "1-1825058-9" FP-1-1825058-9-MFG 1005,-1820 r0 top
SW5 "EVP-ASDC1A" EVPAS 2275.98,-2009.92 r0 top
SW6 "218-4LPSTR" FP-218-4LPSTR-MFG 4035.98,-509.92 r90 top
SW7 "CUS-13TB" FP-CUS-13TB-MFG 908.98,297.09 r180 top
SW8 "2425755-1" 2425755-1 4051.52,-2390.58 r45 top
SW9 "KMR211GLFS" FP-KMR211GLFS-MFG 1830.71,-1535.43 r0 top
SW10 "KMR211GLFS" FP-KMR211GLFS-MFG 1830.71,-2007.87 r0 top
U1 "PRTR5V0U2AX" SOT143B -567.87,-272.13 r0 bottom
U2 "LD1117S33" SOT-223 -511.81,-2283.46 r90 bottom
U3 "ISL83485IBZ-T" SOIC8_NARROW 4365.58,-1959.92 r90 bottom
U4 "XC7A200T-1FBG676C" FP-XC7A200T-1FBG676C-MFG 492.13,-492.13 r270 top locked
U5 "FT4232HQ-Tray" QFN64_2_N 1023.5,-1645.87 r0 bottom
U6 "KSZ8851SNLI-TR" FP-QFN55-32LD-PL-5-IPC_C 4913.54,-519.92 r180 bottom
U7 "MAX3221IPWR" PW0016A_L 4996.46,-2286.1 r180 bottom
U8 "RT8058" QFN16_50P300X300X100_HS-17M 3590.98,-964.92 r0 top
U9 "LD1117S18" SOT-223 3305.98,-1019.92 r180 bottom
U10 "TPS56C20PWPR" R-PDSO-G24 1986.22,-416.34 r0 top
U11 "SC0914_7_" QFN40P700X700X90-57N-D 4445.98,-1010.56 r180 bottom
U12 "USB2422-I/MJ" FP-24-S4QFN-4x4B-0_5P-MFG 131.77,-1652.18 r180 bottom
U13 "TUSB1106PWR" PW0016A_L 4525.98,-99.92 r270 bottom
U14 "REF3012AIDBZT" SOT95P237X112-3N -111.06,-1001.06 r270 bottom
U15 "Linear Voltage Regulator IC  1 Output  300mA TSOT-5" SOT23-5P95_285X145L45X40 -368.02,-925.92 r90 bottom
U16 "AT93C46DN-SH-T" FP-C04-057-SN-MFG 1433.5,-1715.87 r90 bottom
U17 "W25Q256JVEIQ" WSON68_Micron 5125.98,-979.92 r0 bottom
U18 "W25Q64JVZEIQ" WSON68_Micron 4345.98,-478.11 r90 bottom
U19 "W25Q256JVEIQ" WSON68_Micron 4058.51,-479.92 r90 bottom
U20 "MCP6404T-E/ST" TSSOP-ST14_M 3445.98,-1507.29 r0 bottom
U21 "MCP6404T-E/ST" TSSOP-ST14_M 3926.74,-1507.77 r0 bottom
U22 "TVS 824013" SOT95P280X145-6N 2918.49,-1190.85 r90 bottom
U23 "TVS 824013" SOT95P280X145-6N 2763.89,-1190.85 r90 bottom
X1 "ABM8G-24.000MHZ-4Y-T3" ABM8G 201.31,-1436.24 r0 bottom value=24.000MHz
X2 "ABM10AIG-12.000MHZ-4Z-T3" "2.5x2mm XTAL" 4451.1,-1282.87 r180 bottom value=12.000MHz
Y1 "H130B-12.000-16-2525-EXT-TR" "5x3.2MM XTAL" 665,-1905 r180 bottom value=12.000MHz
Y2 "ASE-25.000MHZ-LC-T" FP-ASE-MFG -324,-1391 r90 bottom
Y3 "H130B-12.000-16-2525-EXT-TR" "5x3.2MM XTAL" 4660.94,-558.77 r180 bottom value=25.000MHz

## Footprints (in the part's own frame and the unit in brackets; to place one, negate y for a bottom-side part, rotate by r counter-clockwise, add the part's x,y. Pads: shape width x height; smd on the part's side, far side on the other; paste and mask are expansions set on the pad)
0.5mm_SMD_Header_5x2 [mm]
  rect 2.4x0.6 smd: 1(0,0) 2(3.6,0) 3(0,-1.27) 4(3.6,-1.27) 5(0,-2.54) 6(3.6,-2.54) 7(0,-3.81) 8(3.6,-3.81) 9(0,-5.08) 10(3.6,-5.08)
  silkscreen extent -2.5,-5.9 5.1,0.8, body extent -1.12,-5.71 4.72,0.64, height 6.11
"2.5x2mm XTAL" [mm]
  rect 0.95x0.8 smd: 1(-0.825,-0.65) 2(0.825,-0.65) 3(0.825,0.65) 4(-0.825,0.65)
  silkscreen extent -1.65,-1.4 1.65,1.4, body extent -1.27,-1 1.27,1, height 0.55
"5x3.2MM XTAL" [mm]
  rect 1.9x1.2 smd: 1(-1.6,-1.25) 2(1.6,-1.25) 3(1.6,1.25) 4(-1.6,1.25)
  silkscreen extent -3.12,-2.45 2.9,2.21
741C083 [mm]
  rect 0.3x0.65 smd: 1A(0,0) 1B(0,1.15) 2A(0.5,0) 2B(0.5,1.15) 3A(1,0) 3B(1,1.15) 4A(1.5,0) 4B(1.5,1.15)
  silkscreen extent -0.7,-0.5 1.9,1.6, body extent -0.24,0.08 1.76,1.08, height 0.5
960-29-18-D-AB-0 [mm]
  round 7 hole 3.18: MH1(17.93,17.93) MH2(-17.93,-17.93)
  body extent -21.35,-21.35 21.35,21.35, height 23.08
87832-1420 [mm] "87832-1420 (Molex)"
  rect 1x2.75 smd: 1(-6,-2.13) 2(-6,2.13) 3(-4,-2.13) 4(-4,2.13) 5(-2,-2.13) 6(-2,2.13) 7(0,-2.13) 8(0,2.13) 9(2,-2.13) 10(2,2.13) 11(4,-2.13) 12(4,2.13) 13(6,-2.13) 14(6,2.13)
  round 0 hole 1 unplated: MH1(-5,0) MH2(5,0)
  body extent -8.32,-3.15 8.33,3.15, height 7.58
2425755-1 [mm]
  rect 1.7x1.2 smd: 1(-5.65,4.5) 2(-5.65,1.5) 3(-5.65,-1.5) 4(5.65,4.5) 5(5.65,1.5) 6(5.65,-1.5)
  round 0 hole 1 unplated: MH1(-5.5,-5.45) MH2(5.5,-5.45)
  rect 1.4x1.9 smd: MP1(-3.5,6.175) MP2(3.5,6.175) MP3(3.5,-6.175) MP4(-3.5,-6.175)
  silkscreen extent -6.3,-6.3 6.3,6.3, body extent -6.29,-6.25 6.29,6.25, height 7.26
0528850874 [mm]
  rect 0.35x2.5 smd: 1(-12.383,-2.35) 2(-12.383,2.35) 3(-11.748,-2.35) 4(-11.748,2.35) 5(-11.113,-2.35) 6(-11.113,2.35) 7(-10.478,-2.35) 8(-10.478,2.35) 9(-9.843,-2.35) 10(-9.843,2.35) 11(-9.208,-2.35) 12(-9.208,2.35) 13(-8.573,-2.35) 14(-8.573,2.35) 15(-7.938,-2.35) 16(-7.938,2.35) 17(-7.303,-2.35) 18(-7.303,2.35) 19(-6.668,-2.35) 20(-6.668,2.35) 21(-6.033,-2.35) 22(-6.033,2.35) 23(-5.398,-2.35) 24(-5.398,2.35) 25(-4.763,-2.35) 26(-4.763,2.35) 27(-4.128,-2.35) 28(-4.128,2.35) 29(-3.493,-2.35) 30(-3.493,2.35) 31(-2.858,-2.35) 32(-2.858,2.35) 33(-2.223,-2.35) 34(-2.223,2.35) 35(-1.588,-2.35) 36(-1.588,2.35) 37(-0.953,-2.35) 38(-0.953,2.35) 39(-0.318,-2.35) 40(-0.318,2.35) 41(0.317,-2.35) 42(0.317,2.35) 43(0.952,-2.35) 44(0.952,2.35) 45(1.587,-2.35) 46(1.587,2.35) 47(2.222,-2.35) 48(2.222,2.35) 49(2.857,-2.35) 50(2.857,2.35) 51(3.492,-2.35) 52(3.492,2.35) 53(4.127,-2.35) 54(4.127,2.35) 55(4.762,-2.35) 56(4.762,2.35) 57(5.397,-2.35) 58(5.397,2.35) 59(6.032,-2.35) 60(6.032,2.35) 61(6.667,-2.35) 62(6.667,2.35) 63(7.302,-2.35) 64(7.302,2.35) 65(7.937,-2.35) 66(7.937,2.35) 67(8.572,-2.35) 68(8.572,2.35) 69(9.207,-2.35) 70(9.207,2.35) 71(9.842,-2.35) 72(9.842,2.35) 73(10.477,-2.35) 74(10.477,2.35) 75(11.112,-2.35) 76(11.112,2.35) 77(11.747,-2.35) 78(11.747,2.35) 79(12.383,-2.35) 80(12.383,2.35)
  round 0.475 hole 0.95 unplated: MH1(-14.035,0)
  round 0.375 hole 0.75 unplated: MH2(14.035,0)
  rect 2.5x2 smd: MP1(-16.085,0) MP2(16.085,0)
  silkscreen extent -16.64,-4.6 16.64,3, body extent -16.63,-3.2 16.64,3.2, height 4.21
61232020621 [mm] "WR-BHD 2.54mm Male SMT Box Header (Reel), 20p"
  rect 1.2x4.75 smd: 1(-11.43,-2.875) 2(-11.43,2.875) 3(-8.89,-2.875) 4(-8.89,2.875) 5(-6.35,-2.875) 6(-6.35,2.875) 7(-3.81,-2.875) 8(-3.81,2.875) 9(-1.27,-2.875) 10(-1.27,2.875) 11(1.27,-2.875) 12(1.27,2.875) 13(3.81,-2.875) 14(3.81,2.875) 15(6.35,-2.875) 16(6.35,2.875) 17(8.89,-2.875) 18(8.89,2.875) 19(11.43,-2.875) 20(11.43,2.875)
  silkscreen extent -16.61,-5.87 16.61,4.47, body extent -16.51,-4.75 16.51,4.88, height 11.35
ABM8G [mm]
  rect 1.4x1.2 smd: 1(0,0) 2(2.2,0) 3(2.2,1.7) 4(0,1.7)
  silkscreen extent -1.52,-1.52 -1.02,-1.02, body extent -0.51,-0.33 2.69,2.16, height 0.99
ADAFRUIT618 [mm]
  rect 2x0.5 smd far side: 1(9.9,22.2) 2(9.9,21.4) 3(9.9,20.6) 4(9.9,19.8) 5(9.9,19) 6(9.9,18.2) 7(9.9,17.4) 8(9.9,16.6) 9(9.9,15.8) 10(9.9,15) 11(9.9,14.2) 12(9.9,13.4) 13(9.9,12.6) 14(9.9,11.8)
  round 0.6 hole 0.6 unplated: MH1(6.1,4.2) MH2(6.1,24.65)
  body extent -0.55,-0.34 46.32,34.34
Cap_16v_680uF [mm]
  round 1.2 hole 0.7: 1(0,0) 2(3.5,0)
  silkscreen extent -2.25,-4 5.75,4, body extent -2.27,-4 5.73,4, height 16
CAPC0402_M [mm] "Chip Capacitor, 2-Leads, Body 0402, IPC Medium Density"
  rect 0.64x0.64 smd mask+0.06: 1(-0.46,0) 2(0.46,0)
  silkscreen extent -0.97,-0.51 0.97,0.51, body extent -0.55,-0.3 0.55,0.3, height 0.6
CAPC0603_M [mm]
  rect 0.75x0.95 smd: 1(-0.7,0) 2(0.7,0)
  silkscreen extent -1.3,-0.7 1.3,0.7, body extent -0.85,-0.45 0.85,0.45, height 0.9
CAPC0805_M [mm] "Chip Capacitor, Body 2.0x1.2mm, EIA 0805, IPC Medium Density"
  round 0.254 on Mech15: 0(0,0)
  rrect25% 1x1.4 smd: 1(-0.9,0) 2(0.9,0)
  Top Layer pour cut-out: -0.675,0.7 0.675,0.7 0.675,-0.7 -0.675,-0.7
  silkscreen extent -1.6,-0.9 1.6,0.9, body extent -1.1,-0.72 1.1,0.73, height 1.34
CAPC1206_M [mm] "Chip Capacitor, Body 3.2x1.6mm, 1.0mm H, EIA 1206, IPC Medium Density"
  round 0.508 on Mech15: 0(0,0)
  rrect25% 1.15x1.8 smd: 1(-1.5,0) 2(1.5,0)
  silkscreen extent -2.3,-1.1 2.3,1.1, body extent -1.7,-0.9 1.7,0.9, height 1
CUI_PJ-058BH [mm]
  rrect100% 2.5x6.5 hole 0.8 slot 4 at 90 deg: 1(0,0)
  rrect100% 2.5x5.8 hole 0.8 slot 3.4 at 90 deg: 2(6,0)
  rrect100% 5.8x2.5 hole 0.8 slot 3.4 at 0 deg: 3(3,4.7)
  round 2.2 hole 2.2 unplated: None(10.5,0)
  silkscreen extent -2.2,-4.5 14.5,4.5, body extent -0.76,-4.45 14.44,4.95, height 11.1
EVPAS [mm]
  rect 2x2 smd: 1(-3,0) 2(3,0)
  silkscreen extent -4,-3.5 4,3.5, body extent -3.5,-3.05 3.5,3.05, height 5
FP-1-1825058-9-MFG [mm]
  rect 2.16x1.52 smd paste+0 mask+0: 1(-4.13,8.89) 2(-4.13,6.35) 3(-4.13,3.81) 4(-4.13,1.27) 5(-4.13,-1.27) 6(-4.13,-3.81) 7(-4.13,-6.35) 8(-4.13,-8.89) 9(4.13,-8.89) 10(4.13,-6.35) 11(4.13,-3.81) 12(4.13,-1.27) 13(4.13,1.27) 14(4.13,3.81) 15(4.13,6.35) 16(4.13,8.89)
  silkscreen extent -4.75,-11.4 3.9,11.4, body extent -5.31,-11.5 5.31,11.5, height 0.25